# KiCad board 2x2RemotePanel.kicad_pcb
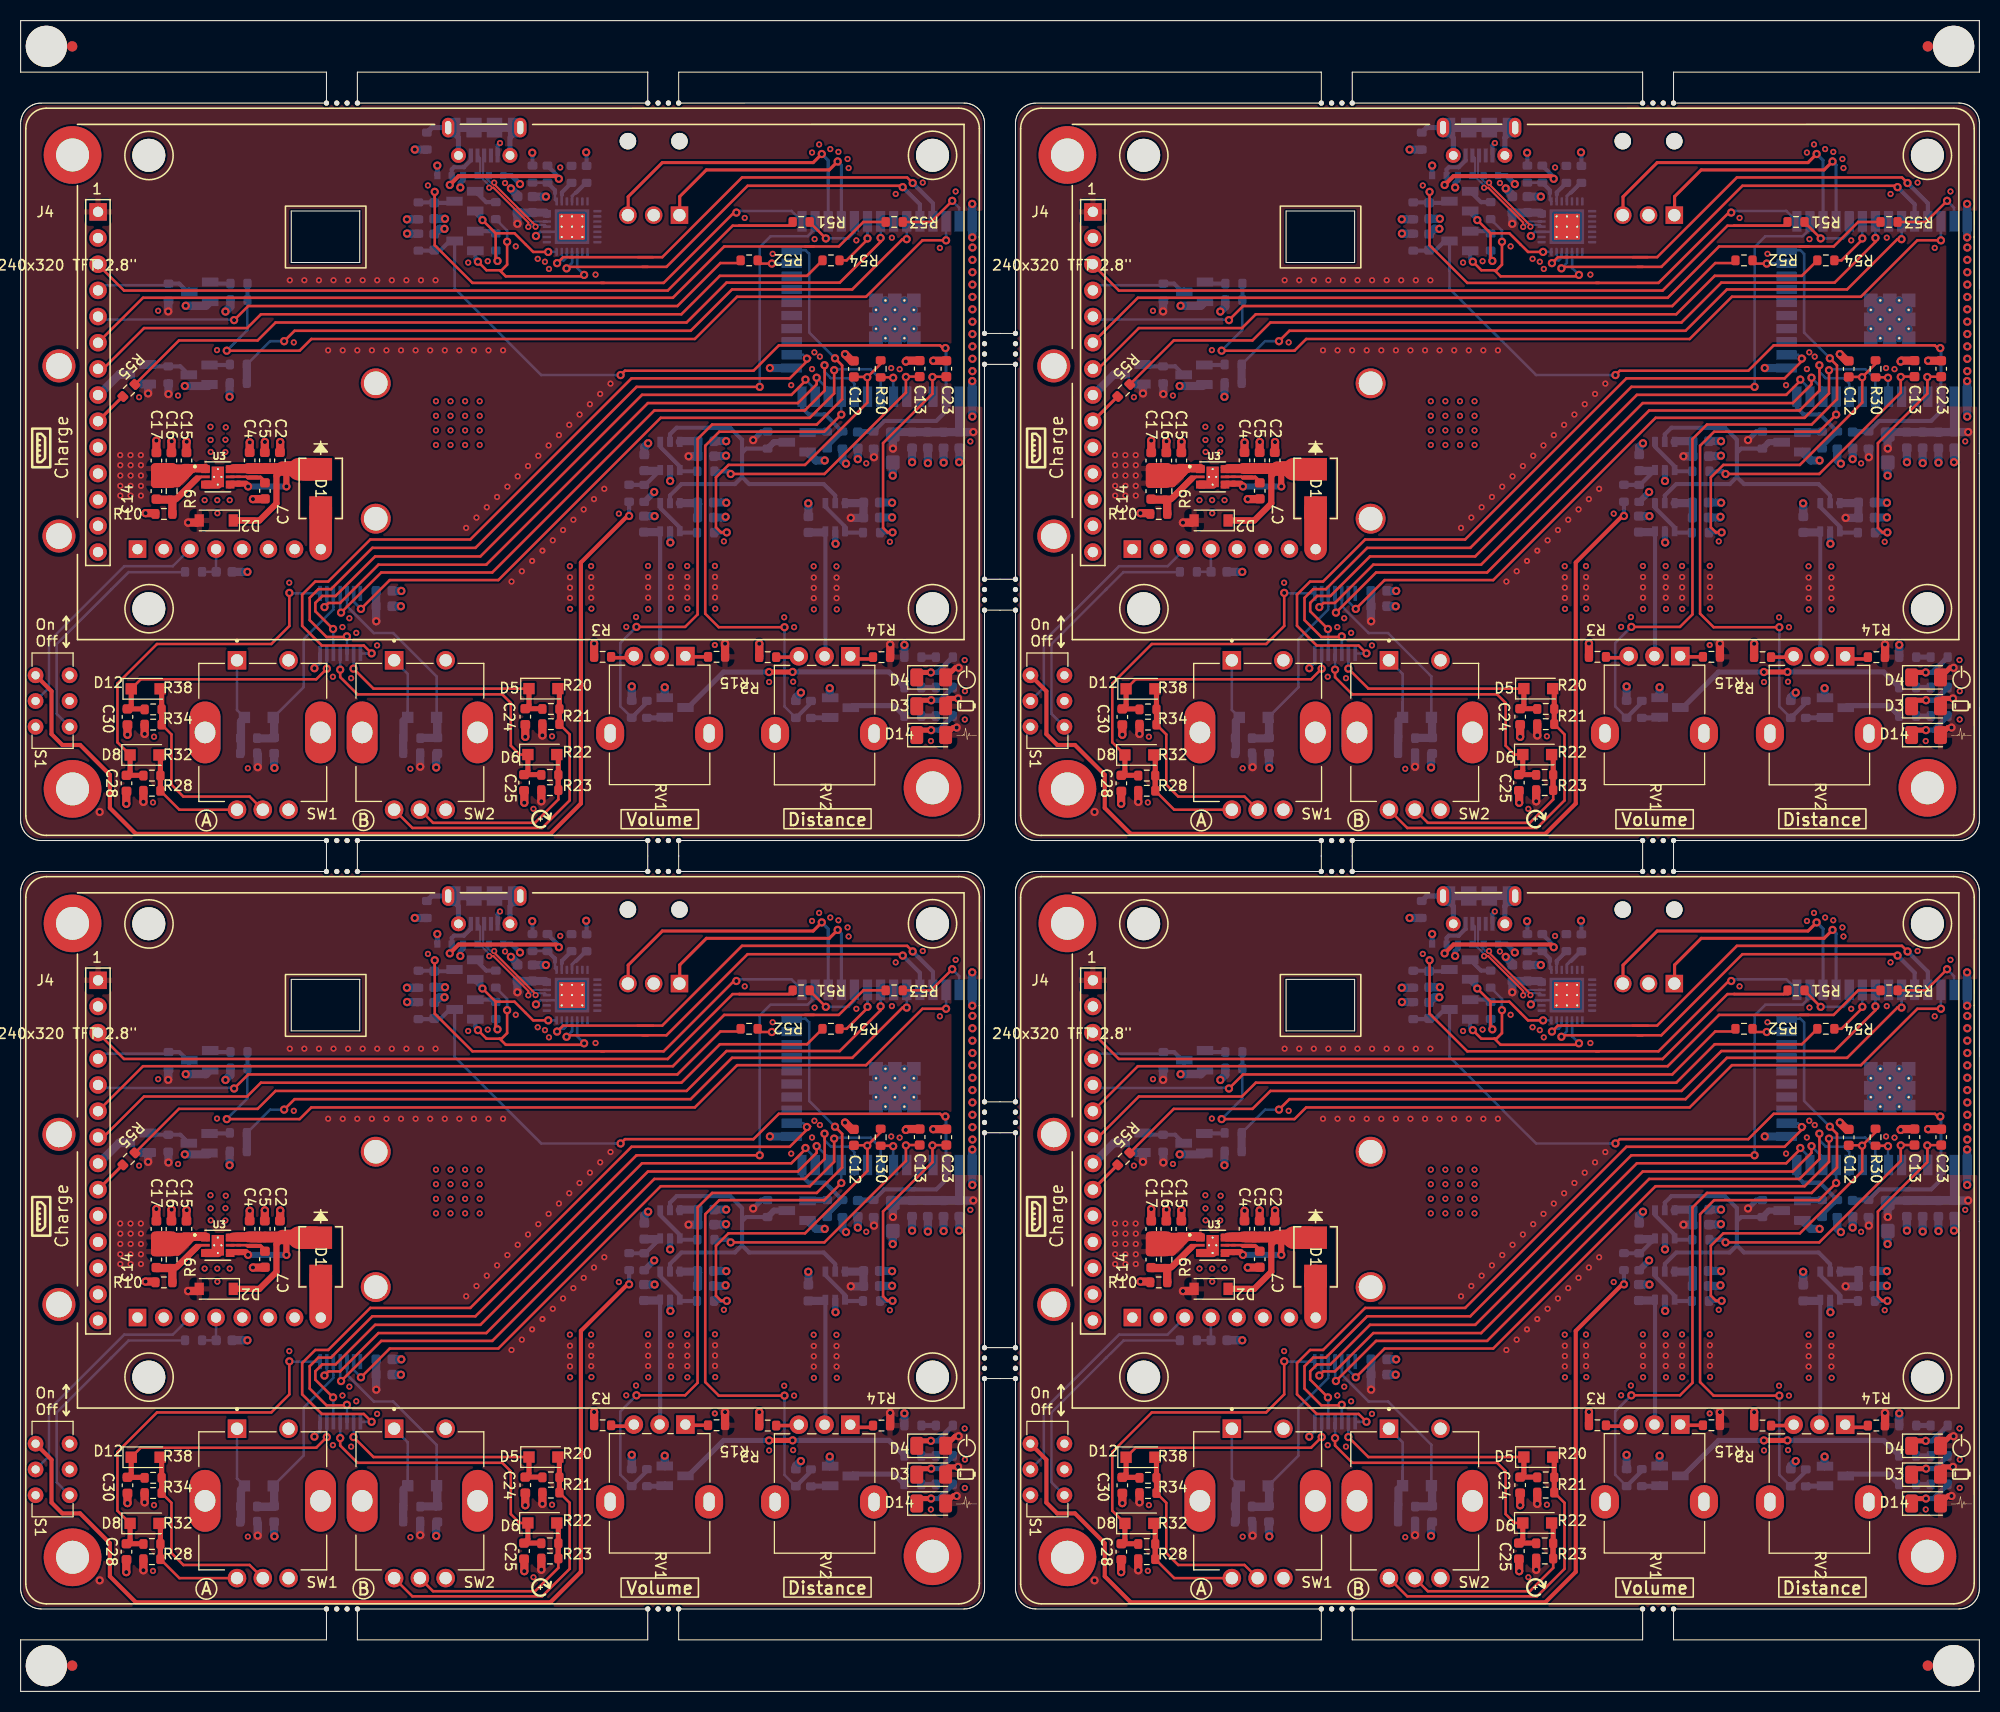
[diagram p0: board, top side]
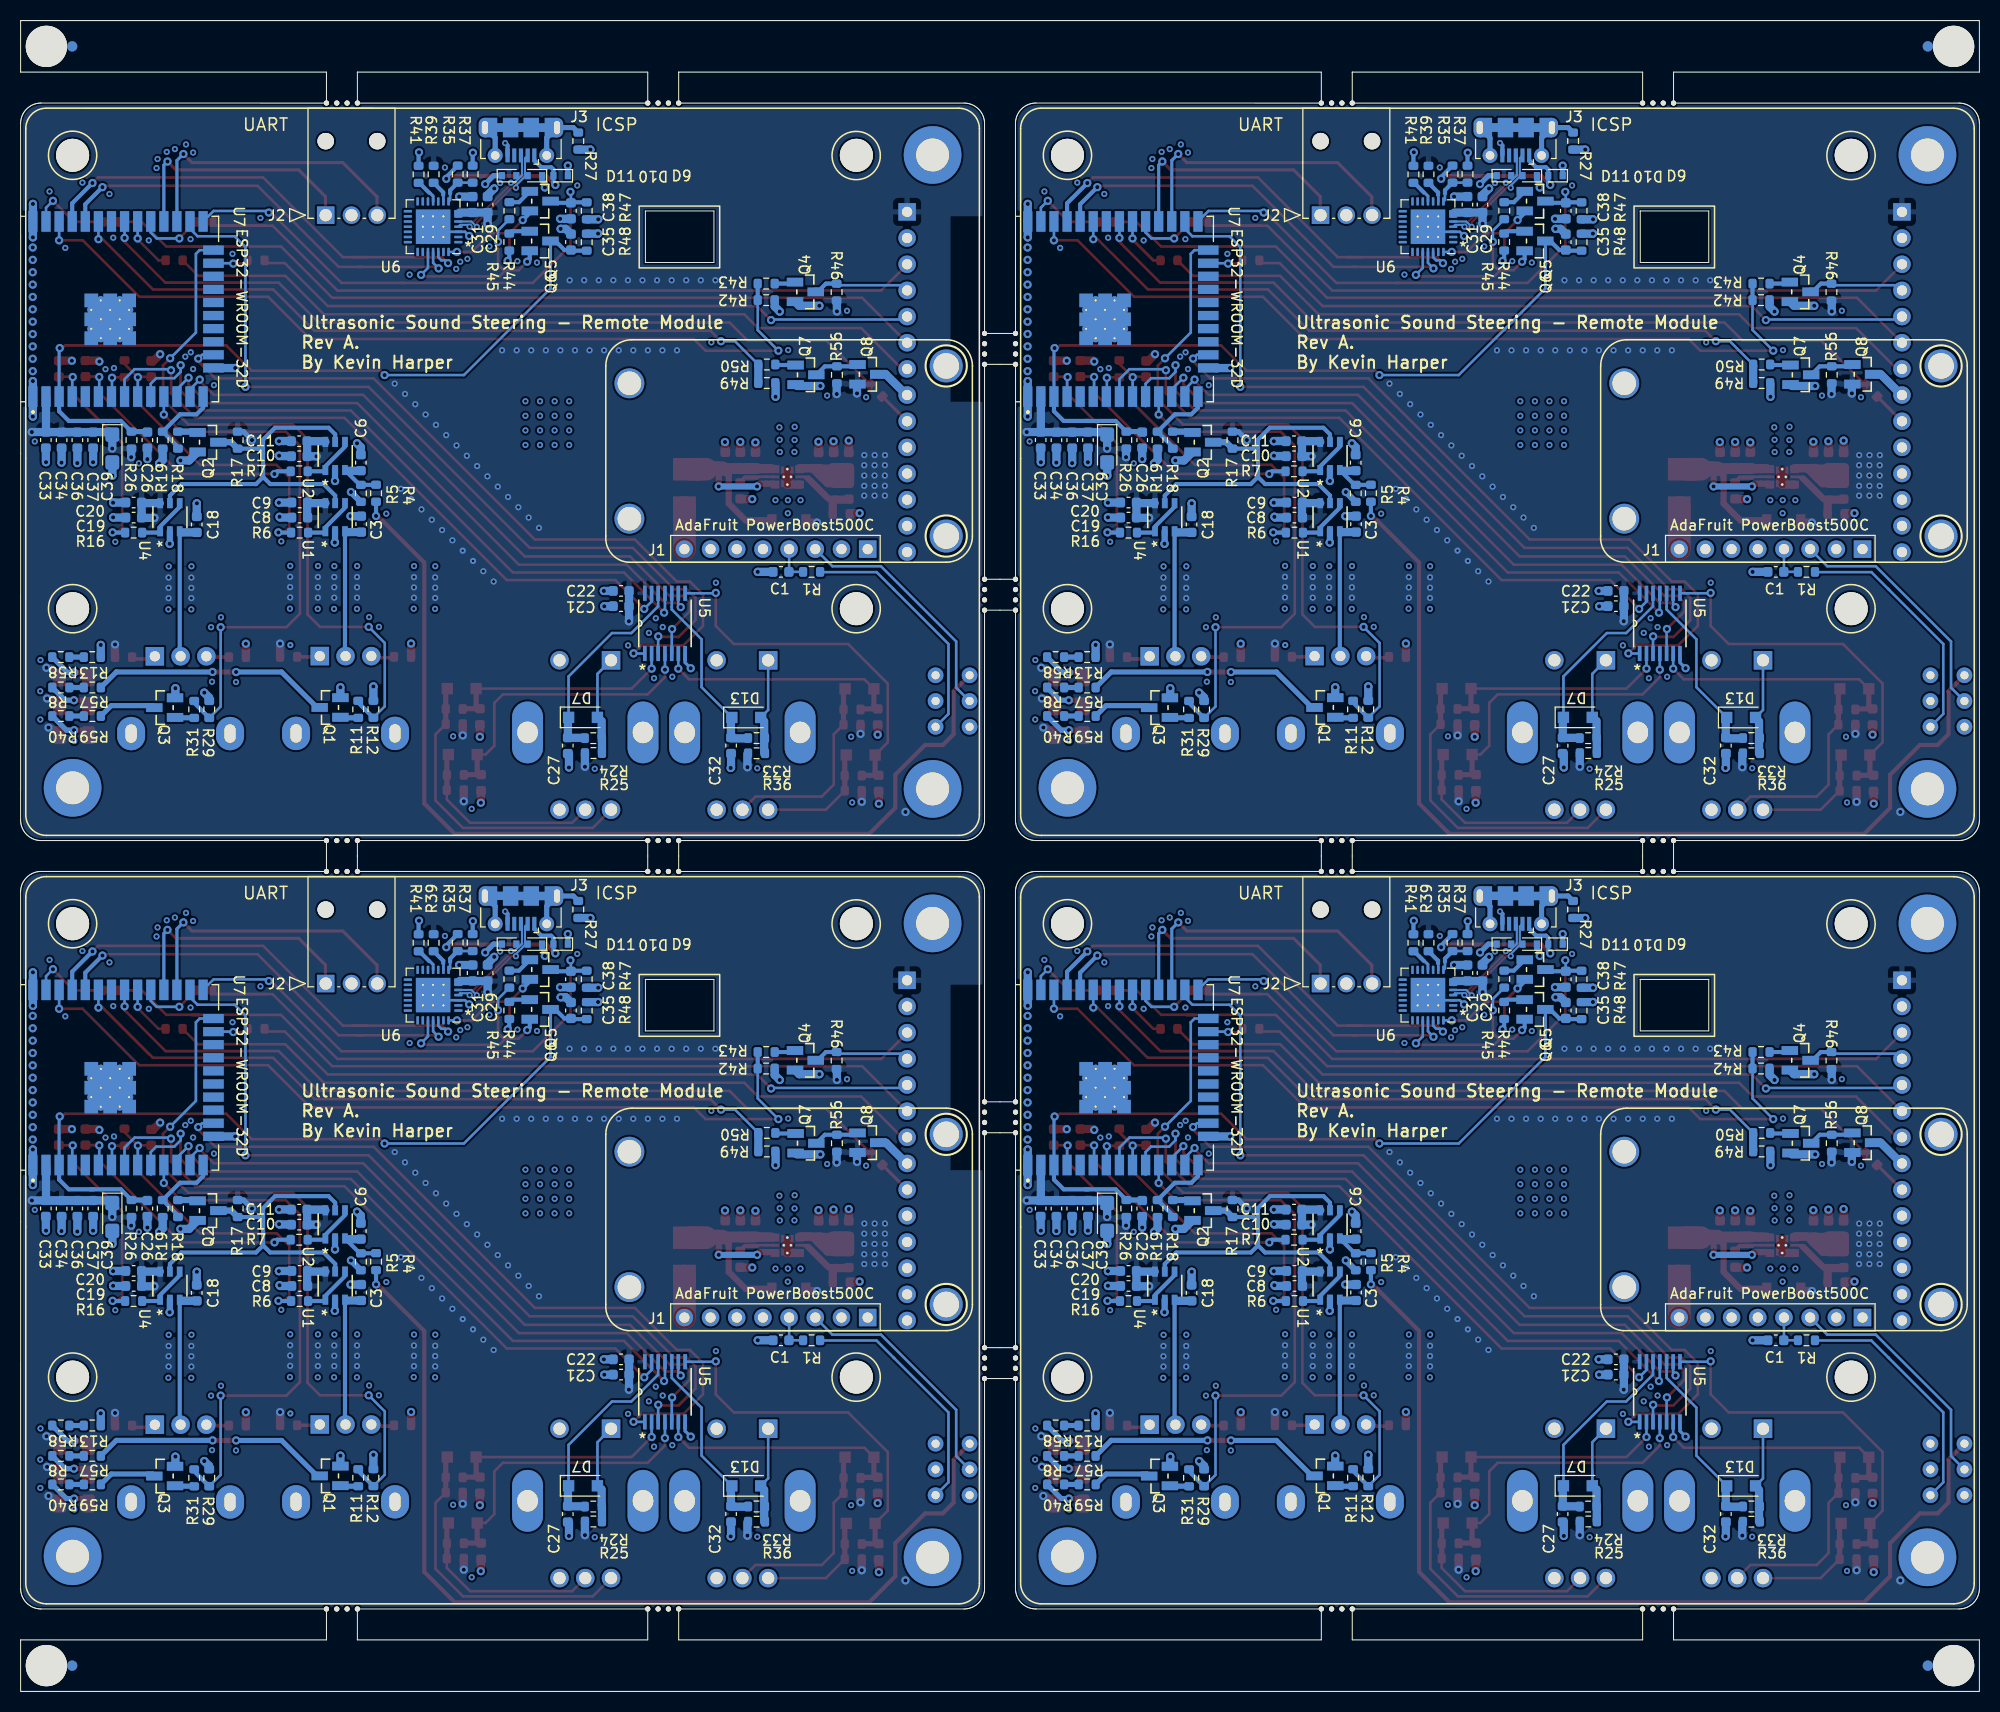
[diagram p1: board, bottom side, seen from below]

Outline 190.01 x 162.15 mm; copper layers: Top, In1.Cu, In2.Cu, Bottom. Coordinates in mm from the lower left corner of the outline.
Outline path: 0,162.15 0,157.15 29.67,157.15 29.67,154.15 1.99,154.15 1.89,154.14 1.79,154.14 1.69,154.12 1.59,154.11 1.49,154.08 1.39,154.05 1.3,154.02 1.2,153.98 1.11,153.94 1.02,153.9 0.94,153.84 0.85,153.79 0.77,153.73 0.69,153.66 0.62,153.6 0.55,153.53 0.48,153.45 0.41,153.37 0.35,153.29 0.3,153.21 0.25,153.12 0.2,153.03 0.16,152.94 0.12,152.84 0.09,152.75 0.06,152.65 0.04,152.55 0.02,152.45 0.01,152.35 0,152.25 0,152.15 0,84.48 0.01,84.37 0.02,84.27 0.04,84.16 0.07,84.06 0.09,83.96 0.13,83.86 0.17,83.76 0.21,83.67 0.26,83.58 0.32,83.49 0.38,83.4 0.44,83.32 0.51,83.24 0.58,83.16 0.66,83.09 0.74,83.02 0.82,82.96 0.91,82.9 1,82.84 1.09,82.79 1.18,82.75 1.28,82.71 1.38,82.67 1.48,82.64 1.58,82.62 1.69,82.6 1.79,82.59 1.9,82.58 2,82.58 29.67,82.58 29.67,79.57 1.99,79.57 1.89,79.57 1.79,79.56 1.69,79.55 1.59,79.53 1.49,79.51 1.39,79.48 1.3,79.45 1.2,79.41 1.11,79.37 1.02,79.32 0.94,79.27 0.85,79.21 0.77,79.15 0.69,79.09 0.62,79.02 0.55,78.95 0.48,78.88 0.41,78.8 0.35,78.72 0.3,78.63 0.25,78.54 0.2,78.45 0.16,78.36 0.12,78.27 0.09,78.17 0.06,78.08 0.04,77.98 0.02,77.88 0.01,77.78 0,77.68 0,77.58 0,9.9 0.01,9.8 0.02,9.69 0.04,9.59 0.07,9.49 0.09,9.39 0.13,9.29 0.17,9.19 0.21,9.09 0.26,9 0.32,8.91 0.38,8.83 0.44,8.74 0.51,8.66 0.58,8.59 0.66,8.52 0.74,8.45 0.82,8.38 0.91,8.32 1,8.27 1.09,8.22 1.18,8.17 1.28,8.13 1.38,8.1 1.48,8.07 1.58,8.04 1.69,8.02 1.79,8.01 1.9,8 2,8 29.67,8 29.67,5 0,5 0,0 190.01,0 190.01,5 160.34,5 160.34,8 188.02,8 188.12,8 188.22,8.01 188.32,8.02 188.42,8.04 188.52,8.06 188.61,8.09 188.71,8.12 188.8,8.16 188.89,8.2 188.98,8.25 189.07,8.3 189.16,8.36 189.24,8.42 189.31,8.48 189.39,8.55 189.46,8.62 189.53,8.7 189.59,8.77 189.65,8.85 189.71,8.94 189.76,9.03 189.81,9.12 189.85,9.21 189.88,9.3 189.92,9.4 189.94,9.49 189.97,9.59 189.98,9.69 190,9.79 190,9.89 190.01,9.99 190,45.58 190.01,77.59 190.01,77.69 190,77.79 189.99,77.89 189.97,77.99 189.95,78.08 189.92,78.18 189.88,78.28 189.85,78.37 189.81,78.46 189.76,78.55 189.71,78.64 189.65,78.72 189.59,78.8 189.53,78.88 189.46,78.96 189.39,79.03 189.31,79.1 189.24,79.16 189.15,79.22 189.07,79.28 188.98,79.33 188.89,79.37 188.8,79.42 188.71,79.45 188.61,79.49 188.51,79.51 188.42,79.54 188.32,79.55 188.22,79.57 188.12,79.57 188.01,79.58 160.34,79.57 160.34,82.58 188.02,82.58 188.12,82.58 188.22,82.59 188.32,82.6 188.42,82.62 188.52,82.64 188.61,82.67 188.71,82.7 188.8,82.74 188.89,82.78 188.98,82.83 189.07,82.88 189.16,82.93 189.24,82.99 189.31,83.06 189.39,83.12 189.46,83.2 189.53,83.27 189.59,83.35 189.65,83.43 189.71,83.51 189.76,83.6 189.81,83.69 189.85,83.78 189.88,83.88 189.92,83.97 189.94,84.07 189.97,84.17 189.98,84.27 190,84.37 190,84.47 190.01,84.57 190,120.15 190.01,152.16 190.01,152.26 190,152.36 189.99,152.46 189.97,152.56 189.95,152.66 189.92,152.76 189.88,152.85 189.85,152.95 189.81,153.04 189.76,153.13 189.71,153.21 189.65,153.3 189.59,153.38 189.53,153.46 189.46,153.53 189.39,153.6 189.31,153.67 189.24,153.74 189.15,153.8 189.07,153.85 188.98,153.9 188.89,153.95 188.8,153.99 188.71,154.03 188.61,154.06 188.51,154.09 188.42,154.11 188.32,154.13 188.22,154.14 188.12,154.15 188.01,154.15 160.34,154.15 160.34,157.15 190.01,157.15 190.01,162.15 0,162.15 ; 26.25,143.68 32.9,143.68 32.9,138.68 26.25,138.68 26.25,143.68 ; 26.25,69.1 32.9,69.1 32.9,64.1 26.25,64.1 26.25,69.1 ; 32.67,157.15 60.84,157.15 60.84,154.15 32.67,154.15 32.67,157.15 ; 32.67,82.58 60.84,82.58 60.84,79.57 32.67,79.57 32.67,82.58 ; 32.67,8 60.84,8 60.84,5 32.67,5 32.67,8 ; 63.84,157.15 126.17,157.15 126.17,154.15 98.49,154.15 98.39,154.14 98.29,154.14 98.19,154.12 98.09,154.11 97.99,154.08 97.9,154.05 97.8,154.02 97.71,153.98 97.62,153.94 97.53,153.9 97.44,153.84 97.36,153.79 97.27,153.73 97.2,153.66 97.12,153.6 97.05,153.53 96.98,153.45 96.92,153.37 96.86,153.29 96.8,153.21 96.75,153.12 96.71,153.03 96.66,152.94 96.63,152.84 96.59,152.75 96.57,152.65 96.54,152.55 96.53,152.45 96.51,152.35 96.51,152.25 96.5,152.15 96.5,131.79 93.5,131.79 93.5,152.16 93.5,152.26 93.49,152.36 93.48,152.46 93.46,152.56 93.44,152.66 93.41,152.76 93.38,152.85 93.34,152.95 93.3,153.04 93.25,153.13 93.2,153.21 93.15,153.3 93.09,153.38 93.02,153.46 92.96,153.53 92.88,153.6 92.81,153.67 92.73,153.74 92.65,153.8 92.56,153.85 92.48,153.9 92.39,153.95 92.3,153.99 92.2,154.03 92.11,154.06 92.01,154.09 91.91,154.11 91.81,154.13 91.71,154.14 91.61,154.15 91.51,154.15 63.84,154.15 63.84,157.15 ; 63.84,82.58 91.51,82.58 91.61,82.58 91.71,82.59 91.81,82.6 91.91,82.62 92.01,82.64 92.11,82.67 92.2,82.7 92.3,82.74 92.39,82.78 92.48,82.83 92.57,82.88 92.65,82.93 92.73,82.99 92.81,83.06 92.89,83.12 92.96,83.2 93.02,83.27 93.09,83.35 93.15,83.43 93.2,83.51 93.25,83.6 93.3,83.69 93.34,83.78 93.38,83.88 93.41,83.97 93.44,84.07 93.46,84.17 93.48,84.27 93.49,84.37 93.5,84.47 93.5,84.57 93.5,104.93 96.5,104.93 96.5,84.48 96.51,84.37 96.53,84.27 96.54,84.16 96.57,84.06 96.6,83.96 96.63,83.86 96.67,83.76 96.72,83.67 96.77,83.58 96.82,83.49 96.88,83.4 96.95,83.32 97.02,83.24 97.09,83.16 97.16,83.09 97.24,83.02 97.33,82.96 97.41,82.9 97.5,82.84 97.59,82.79 97.69,82.75 97.79,82.71 97.89,82.67 97.99,82.64 98.09,82.62 98.19,82.6 98.29,82.59 98.4,82.58 98.5,82.58 126.17,82.58 126.17,79.57 98.49,79.57 98.39,79.57 98.29,79.56 98.19,79.55 98.09,79.53 97.99,79.51 97.9,79.48 97.8,79.45 97.71,79.41 97.62,79.37 97.53,79.32 97.44,79.27 97.36,79.21 97.27,79.15 97.2,79.09 97.12,79.02 97.05,78.95 96.98,78.88 96.92,78.8 96.86,78.72 96.8,78.63 96.75,78.54 96.71,78.45 96.66,78.36 96.63,78.27 96.59,78.17 96.57,78.08 96.54,77.98 96.53,77.88 96.51,77.78 96.51,77.68 96.5,77.58 96.5,57.22 93.5,57.22 93.5,77.59 93.5,77.69 93.49,77.79 93.48,77.89 93.46,77.99 93.44,78.08 93.41,78.18 93.38,78.28 93.34,78.37 93.3,78.46 93.25,78.55 93.2,78.64 93.15,78.72 93.09,78.8 93.02,78.88 92.96,78.96 92.88,79.03 92.81,79.1 92.73,79.16 92.65,79.22 92.56,79.28 92.48,79.33 92.39,79.37 92.3,79.42 92.2,79.45 92.11,79.49 92.01,79.51 91.91,79.54 91.81,79.55 91.71,79.57 91.61,79.57 91.51,79.58 63.84,79.57 63.84,82.58 ; 63.84,8 91.51,8 91.61,8 91.71,8.01 91.81,8.02 91.91,8.04 92.01,8.06 92.11,8.09 92.2,8.12 92.3,8.16 92.39,8.2 92.48,8.25 92.57,8.3 92.65,8.36 92.73,8.42 92.81,8.48 92.89,8.55 92.96,8.62 93.02,8.7 93.09,8.77 93.15,8.85 93.2,8.94 93.25,9.03 93.3,9.12 93.34,9.21 93.38,9.3 93.41,9.4 93.44,9.49 93.46,9.59 93.48,9.69 93.49,9.79 93.5,9.89 93.5,9.99 93.5,30.36 96.5,30.36 96.5,9.9 96.51,9.8 96.53,9.69 96.54,9.59 96.57,9.49 96.6,9.39 96.63,9.29 96.67,9.19 96.72,9.09 96.77,9 96.82,8.91 96.88,8.83 96.95,8.74 97.02,8.66 97.09,8.59 97.16,8.52 97.24,8.45 97.33,8.38 97.41,8.32 97.5,8.27 97.59,8.22 97.69,8.17 97.79,8.13 97.89,8.1 97.99,8.07 98.09,8.04 98.19,8.02 98.29,8.01 98.4,8 98.5,8 126.17,8 126.17,5 63.84,5 63.84,8 ; 93.5,120.15 93.5,128.79 96.5,128.79 96.5,107.93 93.5,107.93 93.5,120.15 ; 93.5,45.58 93.5,54.22 96.5,54.22 96.5,33.36 93.5,33.36 93.5,45.58 ; 122.75,143.68 129.4,143.68 129.4,138.68 122.75,138.68 122.75,143.68 ; 122.75,69.1 129.4,69.1 129.4,64.1 122.75,64.1 122.75,69.1 ; 129.17,157.15 157.34,157.15 157.34,154.15 129.17,154.15 129.17,157.15 ; 129.17,82.58 157.34,82.58 157.34,79.57 129.17,79.57 129.17,82.58 ; 129.17,8 157.34,8 157.34,5 129.17,5 129.17,8
Stack: Top 0.035mm / dielectric 0.18mm FR4 er 4.5 / In1.Cu 0.035mm / dielectric 1.08mm FR4 er 4.5 / In2.Cu 0.035mm / dielectric 0.18mm FR4 er 4.5 / Bottom 0.035mm

## Placement (name value [footprint] x y rotation side)
C1  100nF  [C_0603_1608Metric]  19.75 108.65 0 bottom
C1#2  100nF  [C_0603_1608Metric]  19.75 34.08 0 bottom
C1#3  100nF  [C_0603_1608Metric]  116.25 108.65 0 bottom
C1#4  100nF  [C_0603_1608Metric]  116.25 34.08 0 bottom
C2  22µF  [C_0603_1608Metric]  121.65 119.47 270 top
C2#2  22µF  [C_0603_1608Metric]  121.65 44.9 270 top
C2#3  22µF  [C_0603_1608Metric]  25.15 119.47 270 top
C2#4  22µF  [C_0603_1608Metric]  25.15 44.9 270 top
C3  100nF  [C_0603_1608Metric]  60.47 113.29 270 bottom
C3#2  100nF  [C_0603_1608Metric]  156.97 113.29 270 bottom
C3#3  100nF  [C_0603_1608Metric]  156.97 38.71 270 bottom
C3#4  100nF  [C_0603_1608Metric]  60.47 38.71 270 bottom
C4  22µF  [C_0603_1608Metric]  118.72 44.9 270 top
C4#2  22µF  [C_0603_1608Metric]  22.22 119.47 270 top
C4#3  22µF  [C_0603_1608Metric]  22.22 44.9 270 top
C4#4  22µF  [C_0603_1608Metric]  118.72 119.47 270 top
C5  22µF  [C_0603_1608Metric]  23.69 119.47 270 top
C5#2  22µF  [C_0603_1608Metric]  120.19 119.47 270 top
C5#3  22µF  [C_0603_1608Metric]  120.19 44.9 270 top
C5#4  22µF  [C_0603_1608Metric]  23.69 44.9 270 top
C6  100nF  [C_0603_1608Metric]  157 119.25 270 bottom
C6#2  100nF  [C_0603_1608Metric]  60.5 119.25 270 bottom
C6#3  100nF  [C_0603_1608Metric]  157 44.67 270 bottom
C6#4  100nF  [C_0603_1608Metric]  60.5 44.67 270 bottom
C7  1µF  [C_0603_1608Metric]  120.2 116.52 90 top
C7#2  1µF  [C_0603_1608Metric]  23.7 41.94 90 top
C7#3  1µF  [C_0603_1608Metric]  120.2 41.94 90 top
C7#4  1µF  [C_0603_1608Metric]  23.7 116.52 90 top
C8  10µF  [C_0603_1608Metric]  66.44 39.35 0 bottom
C8#2  10µF  [C_0603_1608Metric]  162.94 113.92 0 bottom
C8#3  10µF  [C_0603_1608Metric]  66.44 113.92 0 bottom
C8#4  10µF  [C_0603_1608Metric]  162.94 39.35 0 bottom
C9  100nF  [C_0603_1608Metric]  66.44 115.38 0 bottom
C9#2  100nF  [C_0603_1608Metric]  162.94 115.38 0 bottom
C9#3  100nF  [C_0603_1608Metric]  162.94 40.81 0 bottom
C9#4  100nF  [C_0603_1608Metric]  66.44 40.81 0 bottom
C10  10µF  [C_0603_1608Metric]  162.98 119.87 0 bottom
C10#2  10µF  [C_0603_1608Metric]  162.98 45.3 0 bottom
C10#3  10µF  [C_0603_1608Metric]  66.48 119.87 0 bottom
C10#4  10µF  [C_0603_1608Metric]  66.48 45.3 0 bottom
C11  100nF  [C_0603_1608Metric]  162.99 121.33 0 bottom
C11#2  100nF  [C_0603_1608Metric]  66.49 46.76 0 bottom
C11#3  100nF  [C_0603_1608Metric]  162.99 46.76 0 bottom
C11#4  100nF  [C_0603_1608Metric]  66.49 121.33 0 bottom
C12  100nF  [C_0603_1608Metric]  80.83 53.77 270 top
C12#2  100nF  [C_0603_1608Metric]  177.33 128.35 270 top
C12#3  100nF  [C_0603_1608Metric]  177.33 53.77 270 top
C12#4  100nF  [C_0603_1608Metric]  80.83 128.35 270 top
C13  100nF  [C_0603_1608Metric]  87.21 128.38 270 top
C13#2  100nF  [C_0603_1608Metric]  183.71 53.8 270 top
C13#3  100nF  [C_0603_1608Metric]  87.21 53.8 270 top
C13#4  100nF  [C_0603_1608Metric]  183.71 128.38 270 top
C14  10nF  [C_0603_1608Metric]  109.67 116.49 90 top
C14#2  10nF  [C_0603_1608Metric]  109.67 41.91 90 top
C14#3  10nF  [C_0603_1608Metric]  13.17 116.49 90 top
C14#4  10nF  [C_0603_1608Metric]  13.17 41.91 90 top
C15  47µF  [C_0603_1608Metric]  112.59 44.88 270 top
C15#2  47µF  [C_0603_1608Metric]  16.09 119.46 270 top
C15#3  47µF  [C_0603_1608Metric]  16.09 44.88 270 top
C15#4  47µF  [C_0603_1608Metric]  112.59 119.46 270 top
C16  47µF  [C_0603_1608Metric]  14.63 44.88 270 top
C16#2  47µF  [C_0603_1608Metric]  111.13 44.88 270 top
C16#3  47µF  [C_0603_1608Metric]  14.63 119.46 270 top
C16#4  47µF  [C_0603_1608Metric]  111.13 119.46 270 top
C17  47µF  [C_0603_1608Metric]  13.17 119.46 270 top
C17#2  47µF  [C_0603_1608Metric]  109.67 44.88 270 top
C17#3  47µF  [C_0603_1608Metric]  13.17 44.88 270 top
C17#4  47µF  [C_0603_1608Metric]  109.67 119.46 270 top
C18  100nF  [C_0603_1608Metric]  172.92 38.68 270 bottom
C18#2  100nF  [C_0603_1608Metric]  76.42 38.68 270 bottom
C18#3  100nF  [C_0603_1608Metric]  76.42 113.25 270 bottom
C18#4  100nF  [C_0603_1608Metric]  172.92 113.25 270 bottom
C19  10µF  [C_0603_1608Metric]  179.04 113.92 0 bottom
C19#2  10µF  [C_0603_1608Metric]  82.54 39.35 0 bottom
C19#3  10µF  [C_0603_1608Metric]  179.04 39.35 0 bottom
C19#4  10µF  [C_0603_1608Metric]  82.54 113.92 0 bottom
C20  100nF  [C_0603_1608Metric]  82.54 40.81 0 bottom
C20#2  100nF  [C_0603_1608Metric]  82.54 115.38 0 bottom
C20#3  100nF  [C_0603_1608Metric]  179.04 115.38 0 bottom
C20#4  100nF  [C_0603_1608Metric]  179.04 40.81 0 bottom
C21  10µF  [C_0603_1608Metric]  35.26 30.75 180 bottom
C21#2  10µF  [C_0603_1608Metric]  131.76 105.32 180 bottom
C21#3  10µF  [C_0603_1608Metric]  131.76 30.75 180 bottom
C21#4  10µF  [C_0603_1608Metric]  35.26 105.32 180 bottom
C22  100nF  [C_0603_1608Metric]  35.26 106.8 0 bottom
C22#2  100nF  [C_0603_1608Metric]  131.76 32.23 0 bottom
C22#3  100nF  [C_0603_1608Metric]  35.26 32.23 0 bottom
C22#4  100nF  [C_0603_1608Metric]  131.76 106.8 0 bottom
C23  100nF  [C_0603_1608Metric]  186.3 53.79 270 top
C23#2  100nF  [C_0603_1608Metric]  89.8 53.79 270 top
C23#3  100nF  [C_0603_1608Metric]  89.8 128.37 270 top
C23#4  100nF  [C_0603_1608Metric]  186.3 128.37 270 top
C24  15nF  [C_0603_1608Metric]  145.46 94.6 270 top
C24#2  15nF  [C_0603_1608Metric]  48.96 20.02 270 top
C24#3  15nF  [C_0603_1608Metric]  48.96 94.6 270 top
C24#4  15nF  [C_0603_1608Metric]  145.46 20.02 270 top
C25  15nF  [C_0603_1608Metric]  48.84 13.62 270 top
C25#2  15nF  [C_0603_1608Metric]  48.84 88.2 270 top
C25#3  15nF  [C_0603_1608Metric]  145.34 88.2 270 top
C25#4  15nF  [C_0603_1608Metric]  145.34 13.62 270 top
C26  100nF  [C_0603_1608Metric]  81.21 121.44 90 bottom
C26#2  100nF  [C_0603_1608Metric]  81.21 46.87 90 bottom
C26#3  100nF  [C_0603_1608Metric]  177.71 46.87 90 bottom
C26#4  100nF  [C_0603_1608Metric]  177.71 121.44 90 bottom
C27  1µF  [C_0603_1608Metric]  136.93 91.79 270 bottom
C27#2  1µF  [C_0603_1608Metric]  136.93 17.21 270 bottom
C27#3  1µF  [C_0603_1608Metric]  40.43 91.79 270 bottom
C27#4  1µF  [C_0603_1608Metric]  40.43 17.21 270 bottom
C28  15nF  [C_0603_1608Metric]  10.27 13.56 270 top
C28#2  15nF  [C_0603_1608Metric]  106.77 88.13 270 top
C28#3  15nF  [C_0603_1608Metric]  106.77 13.56 270 top
C28#4  15nF  [C_0603_1608Metric]  10.27 88.13 270 top
C29  10µF  [C_0603_1608Metric]  48.2 144.3 270 bottom
C29#2  10µF  [C_0603_1608Metric]  48.2 69.72 270 bottom
C29#3  10µF  [C_0603_1608Metric]  144.7 144.3 270 bottom
C29#4  10µF  [C_0603_1608Metric]  144.7 69.72 270 bottom
C30  15nF  [C_0603_1608Metric]  106.87 20 270 top
C30#2  15nF  [C_0603_1608Metric]  10.37 94.58 270 top
C30#3  15nF  [C_0603_1608Metric]  10.37 20 270 top
C30#4  15nF  [C_0603_1608Metric]  106.87 94.58 270 top
C31  100nF  [C_0603_1608Metric]  49.66 69.72 270 bottom
C31#2  100nF  [C_0603_1608Metric]  49.66 144.3 270 bottom
C31#3  100nF  [C_0603_1608Metric]  146.16 69.72 270 bottom
C31#4  100nF  [C_0603_1608Metric]  146.16 144.3 270 bottom
C32  1µF  [C_0603_1608Metric]  121.09 91.8 270 bottom
C32#2  1µF  [C_0603_1608Metric]  24.59 17.22 270 bottom
C32#3  1µF  [C_0603_1608Metric]  24.59 91.8 270 bottom
C32#4  1µF  [C_0603_1608Metric]  121.09 17.22 270 bottom
C33  100nF  [C_0603_1608Metric]  91.06 46.87 90 bottom
C33#2  100nF  [C_0603_1608Metric]  187.56 46.87 90 bottom
C33#3  100nF  [C_0603_1608Metric]  91.06 121.45 90 bottom
C33#4  100nF  [C_0603_1608Metric]  187.56 121.45 90 bottom
C34  100nF  [C_0603_1608Metric]  89.53 121.44 90 bottom
C34#2  100nF  [C_0603_1608Metric]  186.03 46.86 90 bottom
C34#3  100nF  [C_0603_1608Metric]  89.53 46.86 90 bottom
C34#4  100nF  [C_0603_1608Metric]  186.03 121.44 90 bottom
C35  100nF  [C_0603_1608Metric]  40.12 140.66 270 bottom
C35#2  100nF  [C_0603_1608Metric]  136.62 66.09 270 bottom
C35#3  100nF  [C_0603_1608Metric]  136.62 140.66 270 bottom
C35#4  100nF  [C_0603_1608Metric]  40.12 66.09 270 bottom
C36  22µF  [C_0603_1608Metric]  88 46.87 90 bottom
C36#2  22µF  [C_0603_1608Metric]  184.5 121.44 90 bottom
C36#3  22µF  [C_0603_1608Metric]  88 121.44 90 bottom
C36#4  22µF  [C_0603_1608Metric]  184.5 46.87 90 bottom
C37  22µF  [C_0603_1608Metric]  86.47 46.87 90 bottom
C37#2  22µF  [C_0603_1608Metric]  182.97 46.87 90 bottom
C37#3  22µF  [C_0603_1608Metric]  86.47 121.44 90 bottom
C37#4  22µF  [C_0603_1608Metric]  182.97 121.44 90 bottom
C38  100nF  [C_0603_1608Metric]  40.12 143.69 270 bottom
C38#2  100nF  [C_0603_1608Metric]  136.62 69.12 270 bottom
C38#3  100nF  [C_0603_1608Metric]  136.62 143.69 270 bottom
C38#4  100nF  [C_0603_1608Metric]  40.12 69.12 270 bottom
C39  47µF  [CP_EIA-3216-18_Kemet-A]  84.61 46.05 270 bottom
C39#2  47µF  [CP_EIA-3216-18_Kemet-A]  181.11 120.62 270 bottom
C39#3  47µF  [CP_EIA-3216-18_Kemet-A]  84.61 120.62 270 bottom
C39#4  47µF  [CP_EIA-3216-18_Kemet-A]  181.11 46.05 270 bottom
D1  B1100LB-13-F  [SMB_DIO]  29.11 42.18 270 top
D1#2  B1100LB-13-F  [SMB_DIO]  125.61 116.75 270 top
D1#3  B1100LB-13-F  [SMB_DIO]  29.11 116.75 270 top
D1#4  B1100LB-13-F  [SMB_DIO]  125.61 42.18 270 top
D2  MBR0520L  [D_SOD-123]  18.98 39.07 180 top
D2#2  MBR0520L  [D_SOD-123]  115.48 39.07 180 top
D2#3  MBR0520L  [D_SOD-123]  18.98 113.64 180 top
D2#4  MBR0520L  [D_SOD-123]  115.48 113.64 180 top
D3  LED  [LED_1206_3216Metric]  184.83 21.04 0 top
D3#2  LED  [LED_1206_3216Metric]  184.83 95.61 0 top
D3#3  LED  [LED_1206_3216Metric]  88.33 21.04 0 top
D3#4  LED  [LED_1206_3216Metric]  88.33 95.61 0 top
D4  LED  [LED_1206_3216Metric]  88.33 23.84 0 top
D4#2  LED  [LED_1206_3216Metric]  184.83 98.41 0 top
D4#3  LED  [LED_1206_3216Metric]  184.83 23.84 0 top
D4#4  LED  [LED_1206_3216Metric]  88.33 98.41 0 top
D5  BAT54H,115  [D_SOD-123F]  50.72 97.32 0 top
D5#2  BAT54H,115  [D_SOD-123F]  50.72 22.75 0 top
D5#3  BAT54H,115  [D_SOD-123F]  147.22 22.75 0 top
D5#4  BAT54H,115  [D_SOD-123F]  147.22 97.32 0 top
D6  BAT54H,115  [D_SOD-123F]  50.61 90.92 0 top
D6#2  BAT54H,115  [D_SOD-123F]  50.61 16.35 0 top
D6#3  BAT54H,115  [D_SOD-123F]  147.11 90.92 0 top
D6#4  BAT54H,115  [D_SOD-123F]  147.11 16.35 0 top
D7  BAT54H,115  [D_SOD-123F]  135.45 94.53 180 bottom
D7#2  BAT54H,115  [D_SOD-123F]  38.95 94.53 180 bottom
D7#3  BAT54H,115  [D_SOD-123F]  135.45 19.95 180 bottom
D7#4  BAT54H,115  [D_SOD-123F]  38.95 19.95 180 bottom
D8  BAT54H,115  [D_SOD-123F]  108.52 90.88 0 top
D8#2  BAT54H,115  [D_SOD-123F]  12.02 16.31 0 top
D8#3  BAT54H,115  [D_SOD-123F]  12.02 90.88 0 top
D8#4  BAT54H,115  [D_SOD-123F]  108.52 16.31 0 top
D9  LESD5D5.0CT1G  [D_SOD-523]  41.12 147.1 0 bottom
D9#2  LESD5D5.0CT1G  [D_SOD-523]  137.62 147.1 0 bottom
D9#3  LESD5D5.0CT1G  [D_SOD-523]  137.62 72.53 0 bottom
D9#4  LESD5D5.0CT1G  [D_SOD-523]  41.12 72.53 0 bottom
D10  LESD5D5.0CT1G  [D_SOD-523]  46.12 72.53 180 bottom
D10#2  LESD5D5.0CT1G  [D_SOD-523]  46.12 147.1 180 bottom
D10#3  LESD5D5.0CT1G  [D_SOD-523]  142.62 147.1 180 bottom
D10#4  LESD5D5.0CT1G  [D_SOD-523]  142.62 72.53 180 bottom
D11  LESD5D5.0CT1G  [D_SOD-523]  43.62 147.1 0 bottom
D11#2  LESD5D5.0CT1G  [D_SOD-523]  140.12 72.53 0 bottom
D11#3  LESD5D5.0CT1G  [D_SOD-523]  43.62 72.53 0 bottom
D11#4  LESD5D5.0CT1G  [D_SOD-523]  140.12 147.1 0 bottom
D12  BAT54H,115  [D_SOD-123F]  108.63 97.3 0 top
D12#2  BAT54H,115  [D_SOD-123F]  12.13 97.3 0 top
D12#3  BAT54H,115  [D_SOD-123F]  12.13 22.73 0 top
D12#4  BAT54H,115  [D_SOD-123F]  108.63 22.73 0 top
D13  BAT54H,115  [D_SOD-123F]  23.11 19.95 180 bottom
D13#2  BAT54H,115  [D_SOD-123F]  119.62 94.52 180 bottom
D13#3  BAT54H,115  [D_SOD-123F]  119.62 19.95 180 bottom
D13#4  BAT54H,115  [D_SOD-123F]  23.11 94.52 180 bottom
D14  LED  [LED_1206_3216Metric]  184.83 92.81 0 top
D14#2  LED  [LED_1206_3216Metric]  88.33 92.81 0 top
D14#3  LED  [LED_1206_3216Metric]  184.83 18.24 0 top
D14#4  LED  [LED_1206_3216Metric]  88.33 18.24 0 top
G***  LOGO  [circle3x3]  147.06 84.65 270 top
G***#2  LOGO  [micro4x4]  98.5 46.11 90 top
G***#3  LOGO  [hb2x2]  188.25 92.9 0 top
G***#4  LOGO  [hb2x2]  188.25 18.33 0 top
G***#5  LOGO  [micro4x4]  2 46.11 90 top
G***#6  LOGO  [circle3x3]  147.06 10.07 270 top
G***#7  LOGO  [lowbatt2x2]  91.75 21.08 0 top
G***#8  LOGO  [lowbatt2x2]  188.25 21.08 0 top
G***#9  LOGO  [lowbatt2x2]  91.75 95.65 0 top
G***#10  LOGO  [hb2x2]  91.75 18.33 0 top
G***#11  LOGO  [hfghfgh]  91.75 23.83 0 top
G***#12  LOGO  [hfghfgh]  91.75 98.4 0 top
G***#13  LOGO  [micro4x4]  98.5 120.68 90 top
G***#14  LOGO  [micro4x4]  2 120.68 90 top
G***#15  LOGO  [circle3x3]  50.55 10.07 270 top
G***#16  LOGO  [lowbatt2x2]  188.25 95.65 0 top
G***#17  LOGO  [circle3x3]  50.55 84.65 270 top
G***#18  LOGO  [hfghfgh]  188.25 98.4 0 top
G***#19  LOGO  [hb2x2]  91.75 92.9 0 top
G***#20  LOGO  [hfghfgh]  188.25 23.83 0 top
H1  M2.5  [MountingHole_3.2mm_M3_DIN965_Pad_TopBottom]  5.04 149.11 0 top
H1#2  M2.5  [MountingHole_3.2mm_M3_DIN965_Pad_TopBottom]  5.04 74.54 0 top
H1#3  M2.5  [MountingHole_3.2mm_M3_DIN965_Pad_TopBottom]  101.54 74.54 0 top
H1#4  M2.5  [MountingHole_3.2mm_M3_DIN965_Pad_TopBottom]  101.54 149.11 0 top
H2  M2.5  [MountingHole_3.2mm_M3_DIN965_Pad_TopBottom]  101.54 13.01 0 top
H2#2  M2.5  [MountingHole_3.2mm_M3_DIN965_Pad_TopBottom]  5.04 13.01 0 top
H2#3  M2.5  [MountingHole_3.2mm_M3_DIN965_Pad_TopBottom]  5.04 87.59 0 top
H2#4  M2.5  [MountingHole_3.2mm_M3_DIN965_Pad_TopBottom]  101.54 87.59 0 top
H3  M2.5  [MountingHole_3.2mm_M3_DIN965_Pad_TopBottom]  88.46 13.12 0 top
H3#2  M2.5  [MountingHole_3.2mm_M3_DIN965_Pad_TopBottom]  184.97 13.12 0 top
H3#3  M2.5  [MountingHole_3.2mm_M3_DIN965_Pad_TopBottom]  184.97 87.69 0 top
H3#4  M2.5  [MountingHole_3.2mm_M3_DIN965_Pad_TopBottom]  88.46 87.69 0 top
J1  AdaFruit PowerBoost500C  [AdaFruitPowerBoost500C]  114.24 44.85 0 bottom
J1#2  AdaFruit PowerBoost500C  [AdaFruitPowerBoost500C]  17.74 44.85 0 bottom
J1#3  AdaFruit PowerBoost500C  [AdaFruitPowerBoost500C]  114.24 119.43 0 bottom
J1#4  AdaFruit PowerBoost500C  [AdaFruitPowerBoost500C]  17.74 119.43 0 bottom
J2  Molex 1053131103  [CON_1053131103]  63.91 143.27 0 bottom
J2#2  Molex 1053131103  [CON_1053131103]  160.41 68.7 0 bottom
J2#3  Molex 1053131103  [CON_1053131103]  63.91 68.7 0 bottom
J2#4  Molex 1053131103  [CON_1053131103]  160.41 143.27 0 bottom
J3  USB_Micro-B_Molex-105017  [USB_Micro-B_Molex-105017-0001_Alt]  141.47 75.96 0 bottom
J3#2  USB_Micro-B_Molex-105017  [USB_Micro-B_Molex-105017-0001_Alt]  141.47 150.53 0 bottom
J3#3  USB_Micro-B_Molex-105017  [USB_Micro-B_Molex-105017-0001_Alt]  44.97 75.96 0 bottom
J3#4  USB_Micro-B_Molex-105017  [USB_Micro-B_Molex-105017-0001_Alt]  44.97 150.53 0 bottom
J4  240x320 TFT 2.8"  [QD-TFT2803]  48.91 52.76 0 top
J4#2  240x320 TFT 2.8"  [QD-TFT2803]  145.42 52.76 0 top
J4#3  240x320 TFT 2.8"  [QD-TFT2803]  48.91 127.34 0 top
J4#4  240x320 TFT 2.8"  [QD-TFT2803]  145.42 127.34 0 top
KiKit_FID_B_1  -  [Fiducial]  5 159.65 0 bottom
KiKit_FID_B_2  -  [Fiducial]  185.01 159.65 0 bottom
KiKit_FID_B_3  -  [Fiducial]  5 2.5 0 bottom
KiKit_FID_B_4  -  [Fiducial]  185.01 2.5 0 bottom
KiKit_FID_T_1  -  [Fiducial]  5 159.65 0 top
KiKit_FID_T_2  -  [Fiducial]  185.01 159.65 0 top
KiKit_FID_T_3  -  [Fiducial]  5 2.5 0 top
KiKit_FID_T_4  -  [Fiducial]  185.01 2.5 0 top
KiKit_MB_1_1  -  [NPTH]  93.5 131.79 0 top
KiKit_MB_1_2  -  [NPTH]  93.5 130.79 0 top
KiKit_MB_1_3  -  [NPTH]  93.5 129.79 0 top
KiKit_MB_1_4  -  [NPTH]  93.5 128.79 0 top
KiKit_MB_2_1  -  [NPTH]  93.5 107.93 0 top
KiKit_MB_2_2  -  [NPTH]  93.5 106.93 0 top
KiKit_MB_2_3  -  [NPTH]  93.5 105.93 0 top
KiKit_MB_2_4  -  [NPTH]  93.5 104.93 0 top
KiKit_MB_3_1  -  [NPTH]  29.67 154.15 0 top
KiKit_MB_3_2  -  [NPTH]  30.67 154.15 0 top
KiKit_MB_3_3  -  [NPTH]  31.67 154.15 0 top
KiKit_MB_3_4  -  [NPTH]  32.67 154.15 0 top
KiKit_MB_4_1  -  [NPTH]  60.84 154.15 0 top
KiKit_MB_4_2  -  [NPTH]  61.84 154.15 0 top
KiKit_MB_4_3  -  [NPTH]  62.84 154.15 0 top
KiKit_MB_4_4  -  [NPTH]  63.84 154.15 0 top
KiKit_MB_5_1  -  [NPTH]  32.67 82.58 0 top
KiKit_MB_5_2  -  [NPTH]  31.67 82.58 0 top
KiKit_MB_5_3  -  [NPTH]  30.67 82.58 0 top
KiKit_MB_5_4  -  [NPTH]  29.67 82.58 0 top
KiKit_MB_6_1  -  [NPTH]  63.84 82.58 0 top
KiKit_MB_6_2  -  [NPTH]  62.84 82.58 0 top
KiKit_MB_6_3  -  [NPTH]  61.84 82.58 0 top
KiKit_MB_6_4  -  [NPTH]  60.84 82.58 0 top
KiKit_MB_7_1  -  [NPTH]  96.5 128.79 0 top
KiKit_MB_7_2  -  [NPTH]  96.5 129.79 0 top
KiKit_MB_7_3  -  [NPTH]  96.5 130.79 0 top
KiKit_MB_7_4  -  [NPTH]  96.5 131.79 0 top
KiKit_MB_8_1  -  [NPTH]  96.5 104.93 0 top
KiKit_MB_8_2  -  [NPTH]  96.5 105.93 0 top
KiKit_MB_8_3  -  [NPTH]  96.5 106.93 0 top
KiKit_MB_8_4  -  [NPTH]  96.5 107.93 0 top
KiKit_MB_9_1  -  [NPTH]  126.17 154.15 0 top
KiKit_MB_9_2  -  [NPTH]  127.17 154.15 0 top
KiKit_MB_9_3  -  [NPTH]  128.17 154.15 0 top
KiKit_MB_9_4  -  [NPTH]  129.17 154.15 0 top
KiKit_MB_10_1  -  [NPTH]  157.34 154.15 0 top
KiKit_MB_10_2  -  [NPTH]  158.34 154.15 0 top
KiKit_MB_10_3  -  [NPTH]  159.34 154.15 0 top
KiKit_MB_10_4  -  [NPTH]  160.34 154.15 0 top
KiKit_MB_11_1  -  [NPTH]  129.17 82.58 0 top
KiKit_MB_11_2  -  [NPTH]  128.17 82.58 0 top
KiKit_MB_11_3  -  [NPTH]  127.17 82.58 0 top
KiKit_MB_11_4  -  [NPTH]  126.17 82.58 0 top
KiKit_MB_12_1  -  [NPTH]  160.34 82.58 0 top
KiKit_MB_12_2  -  [NPTH]  159.34 82.58 0 top
KiKit_MB_12_3  -  [NPTH]  158.34 82.58 0 top
KiKit_MB_12_4  -  [NPTH]  157.34 82.58 0 top
KiKit_MB_13_1  -  [NPTH]  93.5 57.22 0 top
KiKit_MB_13_2  -  [NPTH]  93.5 56.22 0 top
KiKit_MB_13_3  -  [NPTH]  93.5 55.22 0 top
KiKit_MB_13_4  -  [NPTH]  93.5 54.22 0 top
KiKit_MB_14_1  -  [NPTH]  93.5 33.36 0 top
KiKit_MB_14_2  -  [NPTH]  93.5 32.36 0 top
KiKit_MB_14_3  -  [NPTH]  93.5 31.36 0 top
KiKit_MB_14_4  -  [NPTH]  93.5 30.36 0 top
KiKit_MB_15_1  -  [NPTH]  29.67 79.57 0 top
KiKit_MB_15_2  -  [NPTH]  30.67 79.57 0 top
KiKit_MB_15_3  -  [NPTH]  31.67 79.57 0 top
KiKit_MB_15_4  -  [NPTH]  32.67 79.57 0 top
KiKit_MB_16_1  -  [NPTH]  60.84 79.57 0 top
KiKit_MB_16_2  -  [NPTH]  61.84 79.57 0 top
KiKit_MB_16_3  -  [NPTH]  62.84 79.57 0 top
KiKit_MB_16_4  -  [NPTH]  63.84 79.57 0 top
KiKit_MB_17_1  -  [NPTH]  32.67 8 0 top
KiKit_MB_17_2  -  [NPTH]  31.67 8 0 top
KiKit_MB_17_3  -  [NPTH]  30.67 8 0 top
KiKit_MB_17_4  -  [NPTH]  29.67 8 0 top
KiKit_MB_18_1  -  [NPTH]  63.84 8 0 top
KiKit_MB_18_2  -  [NPTH]  62.84 8 0 top
KiKit_MB_18_3  -  [NPTH]  61.84 8 0 top
KiKit_MB_18_4  -  [NPTH]  60.84 8 0 top
KiKit_MB_19_1  -  [NPTH]  96.5 54.22 0 top
KiKit_MB_19_2  -  [NPTH]  96.5 55.22 0 top
KiKit_MB_19_3  -  [NPTH]  96.5 56.22 0 top